# Altium PCB 创世一号.PcbDoc (part 1 of 2) (continued)
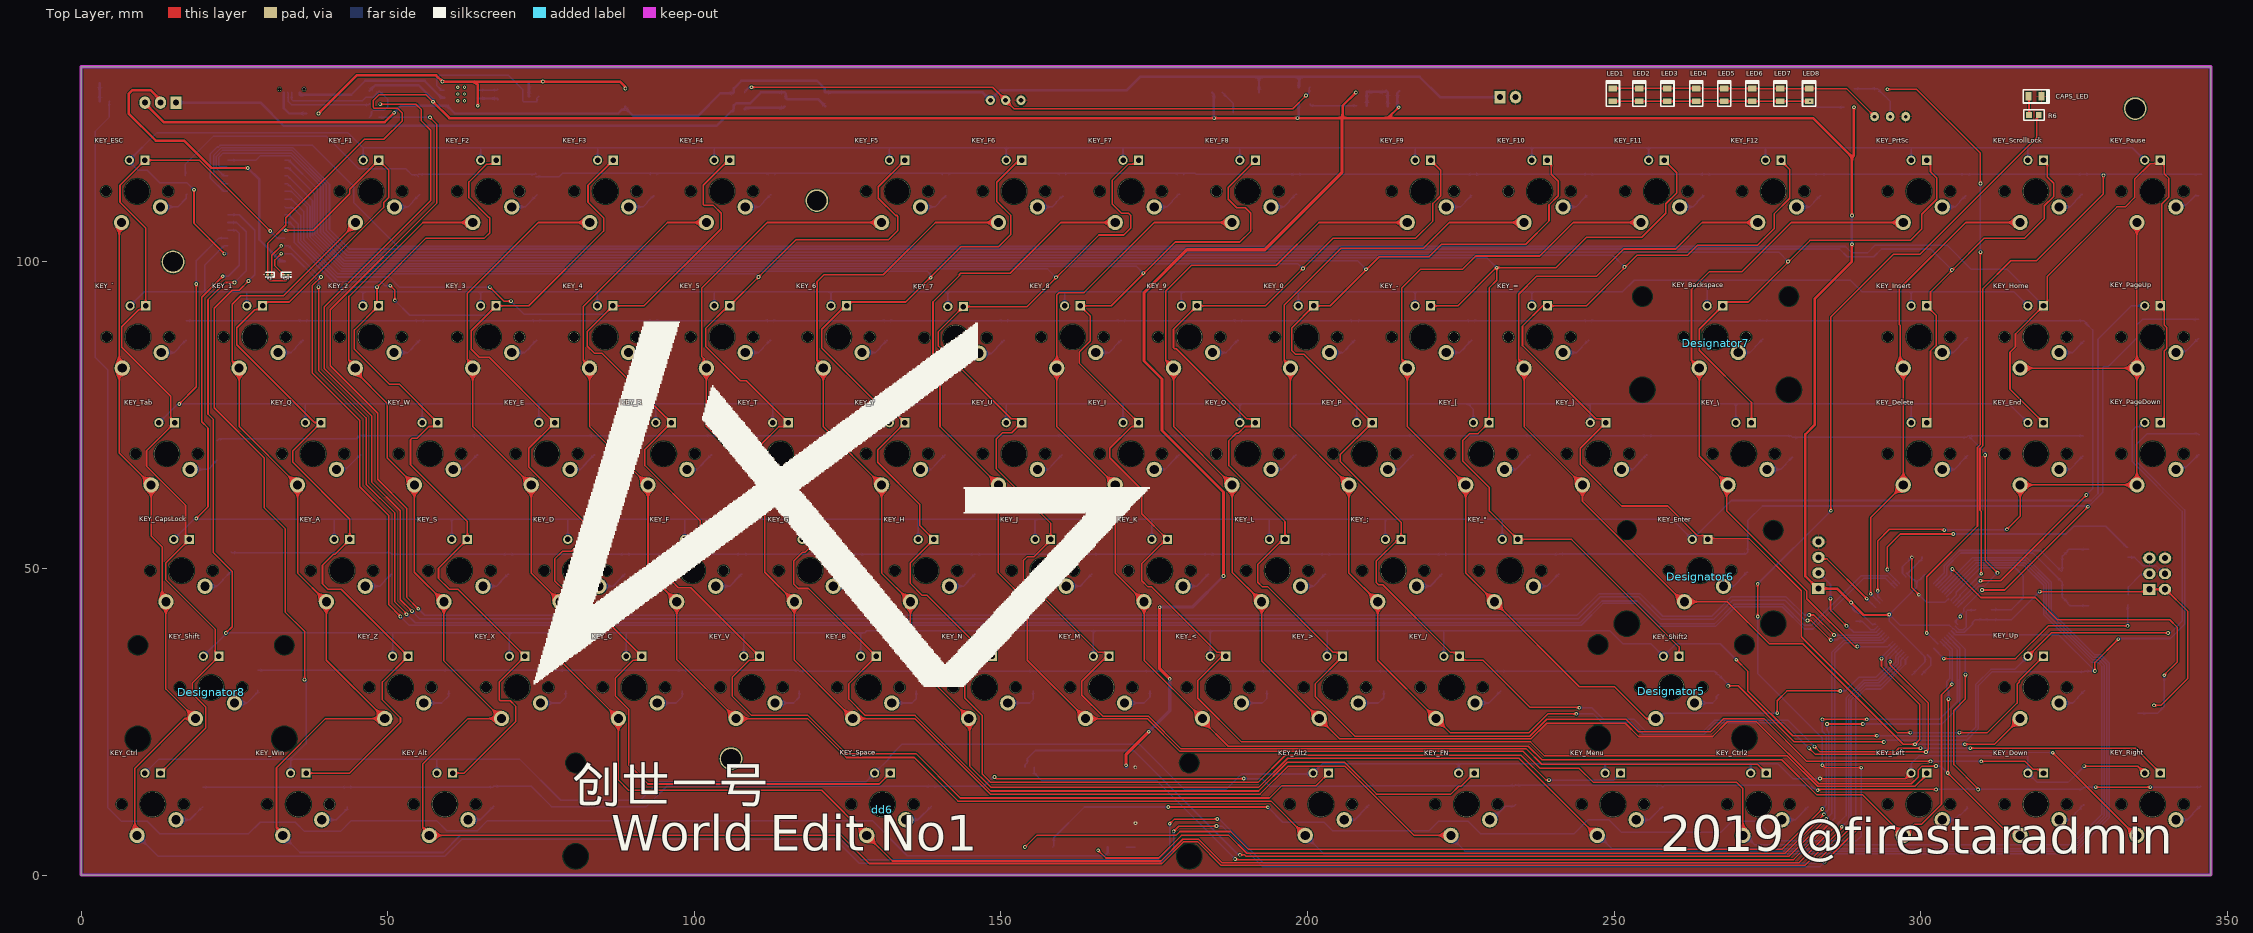
[diagram p0: Top Layer view]
## Footprints (in the part's own frame and the unit in brackets; to place one, negate y for a bottom-side part, rotate by r counter-clockwise, add the part's x,y. Pads: shape width x height; smd on the part's side, far side on the other; paste and mask are expansions set on the pad) (continued)
RC0603 [mil]
  rect 40x50 smd: 1(0,0) 2(65,0)
  silkscreen extent -30,-35 95,35
S8050-TO-92 [mil]
  oval 55x60 hole 23.62: 1(100,0) 2(0,0) 3(-100,0)
  silkscreen extent -82,-45 82,90, body extent -113,-60 113,105, height 407
SDO-123 [mm]
  rect 0.8x1 smd: 1(0,0) 2(3.24,0)
  silkscreen extent -0.5,-0.8 3.8,0.8
SMT-KEY [mm]
  rect 2x1.3 smd paste+0 mask+0.2: 1(0,0) 2(0,6.9)
  silkscreen extent -1.3,-0.89 1.3,7.6
SOT-23-5 [mm] "SOT-23-5"
  rect 0.6x1.05 smd: 1(-0.95,-1.35) 2(0,-1.35) 3(0.95,-1.35) 4(0.95,1.35) 5(-0.95,1.35)
  silkscreen extent -1.88,-1.73 1.5,0.45, body extent -1.5,-1.5 1.5,1.5, height 1.3
Switch_3p_2.5mmjianju [mil]
  round 60 hole 31.5: 1(0,0) 2(0,98.43) 3(0,196.85)
  silkscreen extent -71,-67 75,268

## Part data
BOOT LEDPwrCON SWD VBat: "Connector"
C1 C2 C3 C4 C5 C6 C8: library part CAP1, "Capacitor", Tolerate=50V, PCB_Layout="Top Layer SMC", Publisher=ZL_A0OFFICE, Revision=2012-3-28
  C1 C2: ERP=0103020090, TOL=2%
  C3 C4 C5 C6 C8: ERP=0103020075, TOL=10%
C7: library part CAP-TANTALUM, "Tantalum Capacitor"
C9 C10 C11 C12 C13 C14 C15 C16 C18 C19: library part CAP, "Capacitor"
F1 R8 R10 R11 R12 R14 R15 R16 R17: library part Res2, "Resistor"
KEY_0 KEY_1 KEY_2 KEY_3 KEY_4 KEY_5 KEY_6 KEY_7 KEY_8 KEY_9 "KEY_\"" KEY_- KEY_/ KEY_; KEY_< KEY_= KEY_> KEY_[ KEY_\ KEY_] KEY_` KEY_A KEY_Alt KEY_Alt2 KEY_B KEY_Backspace KEY_C KEY_CapsLock KEY_Ctrl KEY_Ctrl2 KEY_D KEY_Delete KEY_Down KEY_E KEY_End KEY_Enter KEY_ESC KEY_F KEY_F1 KEY_F2 KEY_F3 KEY_F4 KEY_F5 KEY_F6 KEY_F7 KEY_F8 KEY_F9 KEY_F10 KEY_F11 KEY_F12 KEY_FN KEY_G KEY_H KEY_Home KEY_I KEY_Insert KEY_J KEY_K KEY_L KEY_Left KEY_M KEY_Menu KEY_N KEY_O KEY_P KEY_PageDown KEY_PageUp KEY_Pause KEY_PrtSc KEY_Q KEY_R KEY_Right KEY_S KEY_ScrollLock KEY_Shift KEY_Shift2 KEY_Space KEY_T KEY_Tab KEY_U KEY_Up KEY_V KEY_W KEY_Win KEY_X KEY_Y KEY_Z: library part MX_SW-5, "with Fixation pins  1-Pole w/LED"
Q1: "NPN Bipolar Transistor", Code_JEDEC=TO-226-AA, LatestRevisionDate=17-Jul-2002, LatestRevisionNote="Re-released for DXP Platform.", PackageDescription="TO, Flat Index; 3 In-Line, Axial Leads; Body Dia. 4.8mm; Leads 0.55 x 0.51 mm (max)", PackageReference=TO-226-AA, Published=8-Jun-2000, Publisher="Altium Limited"
R1 R2 R3 R4 R5 R9: library part R
R6 R7 R13 RPROG: library part RES, "Resistor"
S1: "Single-Pole, Single-Throw Switch"
SW_PWR: "Switch"
U1: library part STM32F103RxTx, "MCU"
USB: library part "MICRO USB CONNECTOR TYPEB", "USB Connector"
X1: library part XTAL_SMD, "Crystal Oscillator", Tolerate="ROSON -20_+70 20pf", ERP=0103040021, PCB_Layout="Top Layer SMC", Publisher=ZL_A0OFFICE, Revision=2012-3-28, TOL=±20ppm

## Free pads (board coordinates)
  round 3.7 hole 3.2: 2(15,100) 2(106,19) 2(120,110) 2(335,125)

## Via types
v1: diameter 0.6, hole 0.3, Top Layer to Bottom Layer, 168 vias
v2: diameter 0.5, hole 0.2, Top Layer to Bottom Layer, 6 vias

## Nets (pads, with @x,y where several pads share a name; then routed paths per layer and width w, separated by ;. In a path a pad name is that pad's centre, name@x,y a point inside that pad or via, vN(x,y) a via of type N, cw(c..) or ccw(c..) an arc to the next point about the centre after c; other vN are vias at no path point)
3V3: BOOT.1 BOOT.2 BTK-05.12 C3.1 C4.1 C5.1 C6.1 C7.1 C15.1 C16.1 R2.2 R5.2 R8.1 R9.2 R10.1 R14.1 R17.2 SWD.1 U1.1 U1.19 U1.32 U1.48 U1.64 U3.5 | length 669.6
  Top Layer w0.254: R14.1@33.76,97.917 33.76,97.26 33.401,96.901 30.861,96.901 30.415,97.347 R8.1@30.415,97.917 30.415,102.986 33.401,105.972 33.401,107.188 46.228,120.015 49.377,120.015 52.362,123 52.362,124.295 51.562,125.095 47.774,125.095 47.625,125.244 47.625,126.281 48.598,127.254 56.262,127.254 v1(57.404,126.112) ; v1(319.405,46.228) 336.931,46.228 BOOT.1@337.312,46.609 BOOT.2@339.852,46.609 339.979,46.609 343.535,43.053 343.535,32.026 339.195,27.686 v1(338.074,27.686)
  Top Layer w0.4: v1(57.404,126.112) 60.072,123.444 v1(184.785,123.444) v1(198.374,123.444) 205.74,123.444 ; v1(207.899,127.635) 205.74,125.476 205.74,123.444 ; v1(214.884,125.222) 213.106,123.444 ; v1(288.798,102.87) 288.798,100.076 282.702,93.98 282.702,73.406 281.178,71.882 281.178,48.768 283.21,46.736 SWD.1@283.337,46.736 286.385,46.736 v1(288.671,44.45) 290.703,42.418 294.894,42.418 v1(294.894,42.487) ; v1(288.798,107.569) 288.798,117.094 ; v1(289.128,125.222) 289.128,117.424 288.798,117.094 ; 205.74,123.444 213.106,123.444 ; 213.106,123.444 282.448,123.444 288.798,117.094
  Top Layer w0.5: v1(170.434,17.907) 170.434,19.685 v1(174.117,23.368) ; v1(175.895,43.688) 175.895,33.655 v1(177.546,32.004) ; v1(186.309,48.768) 186.309,62.484 176.276,72.517 176.276,80.92 173.355,83.841 173.355,94.996 180.34,101.981 193.04,101.981 205.613,114.554 205.613,123.317 205.74,123.444
  Bottom Layer w0.254: R10.1@47.041,127.889 R10.1@47.041,127.914 ; v1(57.404,126.112) 57.404,126.492 ; C7.1@214.668,127.546 C7.1@215.011,127.889 ; C3.1@289.433,43.053 289.814,42.672 290.322,42.672 292.082,40.912 U1.48@292.657,40.912 ; C5.1@298.577,32.639 300.718,34.78 U1.32@300.718,35.609 294.894,41.433 v1(294.894,42.487) ; C4.1@300.228,51.943 300.228,51.575 297.898,49.244 297.689,49.244 U1.64@297.96,48.973 298.777,48.156 298.946,48.156 299.339,47.764 ; U1.1@300.718,48.973 300.685,48.973 299.902,48.19 299.743,48.19 299.466,47.912 299.466,47.891 299.339,47.764 ; v1(319.405,46.228) 314.833,41.656 R2.2@311.531,41.656 308.864,41.656 308.483,41.275 308.483,40.958 307.12,39.595 305.957,39.595 305.347,40.205 U1.19@305.314,40.205 305.282,40.205 304.722,40.765 296.616,40.765 v1(294.894,42.487) ; v1(294.894,42.487) 299.339,46.932 299.339,47.764
  Bottom Layer w0.4: R10.1@47.041,127.914 47.974,128.847 55.049,128.847 57.404,126.492 ; R9.2@184.493,127.588 184.747,127.334 184.747,123.482 v1(184.785,123.444) ; v1(198.374,123.444) 198.374,123.498 198.567,123.691 U3.5@198.567,125.82 ; C15.1@214.668,125.349 C7.1@214.668,127.546 ; v1(288.671,44.45) 288.671,44.396 288.998,44.069 288.998,43.361 289.306,43.053 C3.1@289.433,43.053 ; v1(288.798,102.87) v1(288.798,107.569)
  Bottom Layer w0.5: v1(170.434,17.907) 170.561,17.78 170.561,17.692 BTK-05.12@170.441,17.572 ; v1(174.117,23.368) 177.546,26.797 v1(177.546,32.004) ; v1(175.895,43.688) 181.229,43.688 v1(186.309,48.768)
3V7: C9.1 C13.1 C19.2 LEDPwrCON.3 SW_PWR.3 U3.1 U4.1 U5.5 VBat.1 | length 236.9
  Top Layer w0.4: LEDPwrCON.3@10.414,125.984 10.414,125.857 13.462,122.809 49.53,122.809 v1(51.054,124.333)
  Bottom Layer w0.4: v1(51.054,124.333) 52.183,125.462 59.237,125.462 U5.5@59.251,125.476 59.676,125.476 60.946,124.206 87.605,124.206 88.248,124.849 88.473,124.849 C19.2@88.748,125.124 ; C19.2@88.748,125.349 C19.2@88.748,125.124 ; C13.1@192.1,127.635 192.1,130.175 ; U3.1@198.467,128.845 198.567,128.745 U3.1@198.567,128.52 ; U3.1@198.667,128.62 198.667,130.175 ; VBat.1@231.394,126.873 221.615,126.873 218.313,130.175 198.667,130.175 ; C19.2@88.748,125.124 90.047,123.825 100.584,123.825 104.267,127.508 106.285,127.508 U4.1@106.365,127.588 106.465,127.688 106.465,128.309 107.696,129.54 120.015,129.54 121.285,128.27 121.285,127.711 C9.1@121.361,127.635 147.019,127.635 SW_PWR.3@148.289,126.365 149.94,128.016 170.561,128.016 172.72,130.175 192.1,130.175 ; 192.1,130.175 198.667,130.175
5V: C18.2 F1.1 LED_CHRG.1 U5.4 U5.8 | length 57.8
  Top Layer w0.4: v1(38.719,124.206) 44.942,130.429 57.912,130.429 v1(58.928,129.413) 64.135,129.413 ; v1(64.701,125.476) 64.701,128.847 64.135,129.413 ; v1(88.773,128.27) 88.773,128.524 87.884,129.413 v1(75.311,129.413) 64.135,129.413
AT: BTK-05.26 U1.22 | length 174.8
  Top Layer w0.254: v1(165.862,4.064) 167.132,2.794 175.768,2.794 179.451,6.477 187.189,6.477 190.11,3.556 277.876,3.556 v1(284.226,9.906) ; v1(284.734,24.638) v1(290.576,24.638)
  Bottom Layer w0.254: v1(284.226,9.906) 284.988,10.668 284.988,23.368 284.734,23.622 v1(284.734,24.638) ; v1(290.576,24.638) 303.467,24.638 306.416,27.587 306.416,32.125 306.399,32.143 306.399,36.999 U1.22@304.253,39.144
BOOT0: R4.1 U1.60 | length 49.6
  Top Layer w0.254: v1(294.58,49.844) 294.58,53.534 296.672,55.626 v1(305.314,55.626)
  Bottom Layer w0.254: v1(294.58,49.844) 294.58,49.524 U1.60@296.546,47.559 296.546,47.591 295.986,48.151 ; v1(305.314,55.626) 323.723,55.626 324.993,56.896 330.2,56.896 333.629,53.467 R4.1@333.756,53.467
BOOT1: R3.2 U1.28 | length 38.1
  Top Layer w0.254: v1(303.784,35.306) 315.468,35.306 320.802,40.64 v1(333.756,40.64)
  Bottom Layer w0.254: U1.28@302.132,37.023 302.132,36.991 303.784,35.339 v1(303.784,35.306) ; v1(333.756,40.64) 333.756,44.069 R3.2@333.883,44.069
col0: KEY_`.2 KEY_CapsLock.2 KEY_Ctrl.2 KEY_ESC.2 KEY_Shift.2 KEY_Tab.2 U1.33 | length 437.8
  Top Layer w0.254: KEY_ESC.2@6.604,106.426 6.223,106.045 6.223,68.834 KEY_Tab.2@11.43,63.627 11.43,55.308 13.208,53.53 13.208,45.212 KEY_CapsLock.2@13.843,44.577 13.843,30.353 KEY_Shift.2@18.669,25.527 16.891,25.527 8.763,17.399 8.763,6.858 KEY_Ctrl.2@9.144,6.477 ; v1(178.181,7.127) 179.032,7.978 185.143,7.978 v1(185.166,8.001) ; v1(284.353,2.159) 289.433,7.239 v1(289.433,7.62)
  Bottom Layer w0.254: KEY_Ctrl.2@9.144,6.477 12.556,3.065 36.703,3.065 59.311,3.065 62.113,5.867 122.981,5.867 126.926,1.922 175.912,1.922 178.181,4.191 v1(178.181,7.127) ; v1(185.166,8.001) 186.055,8.001 192.659,1.397 283.337,1.397 283.591,1.397 v1(284.353,2.159) ; v1(289.433,7.62) 289.433,28.764 291.02,30.351 293.478,30.351 297.536,34.41 297.536,35.185 U1.33@297.96,35.609
col1: KEY_1.2 KEY_A.2 KEY_F1.2 KEY_Q.2 KEY_Win.2 KEY_Z.2 U1.34 | length 439.7
  Top Layer w0.254: KEY_Win.2@32.893,6.477 32.893,6.752 31.877,7.768 31.877,17.526 39.878,25.527 KEY_Z.2@49.53,25.527 40.005,35.052 KEY_A.2@40.005,44.577 35.306,49.276 KEY_Q.2@35.306,63.627 25.781,73.152 KEY_1.2@25.781,82.677 25.781,82.698 24.638,83.841 24.638,93.091 26.035,94.488 33.02,94.488 44.742,106.21 KEY_F1.2@44.742,106.426 ; v1(177.546,8.382) 178.308,9.144 v1(185.293,9.144) ; v1(283.591,2.54) 283.591,2.733 288.244,7.386 v1(288.244,7.747)
  Bottom Layer w0.254: KEY_Win.2@32.893,6.477 35.687,3.683 36.703,3.683 59.055,3.683 61.857,6.485 123.237,6.485 127.182,2.54 175.656,2.54 177.546,4.43 v1(177.546,8.382) ; v1(185.293,9.144) 185.335,9.186 185.589,9.186 192.869,1.905 282.956,1.905 v1(283.591,2.54) ; v1(288.244,7.747) 288.648,8.151 288.648,28.55 291.022,30.924 293.48,30.924 296.741,34.186 296.741,35.097 U1.34@297.607,35.962
col2: KEY_2.2 KEY_Alt.2 KEY_F2.2 KEY_S.2 KEY_W.2 KEY_X.2 U1.35 | length 404.4
  Top Layer w0.254: KEY_F2.2@63.881,106.426 55.753,106.426 43.688,94.361 43.688,83.968 44.704,82.952 KEY_2.2@44.704,82.677 44.704,82.169 49.911,76.962 49.911,68.072 KEY_W.2@54.356,63.627 54.356,49.403 KEY_S.2@59.182,44.577 59.182,34.925 KEY_X.2@68.58,25.527 63.119,25.527 55.753,18.161 55.753,7.768 56.769,6.752 KEY_Alt.2@56.769,6.477 61.142,6.477 123.952,6.477 128.532,1.897 176.268,1.897 179.832,5.461 182.055,5.461 185.937,1.579 281.106,1.579 287.147,7.62 v1(287.147,7.874)
  Bottom Layer w0.254: v1(287.147,7.874) 288.244,8.971 288.244,28.718 290.895,31.369 293.179,31.369 296.337,34.527 296.337,35.4 U1.35@297.253,36.316
col3: KEY_3.2 KEY_C.2 KEY_D.2 KEY_E.2 KEY_F3.2 KEY_Space.2 U1.36 | length 358.4
  Top Layer w0.254: KEY_F3.2@82.969,106.426 74.549,106.426 62.992,94.869 62.992,84.095 63.881,83.206 KEY_3.2@63.881,82.677 63.881,73.152 KEY_E.2@73.406,63.627 73.406,49.276 KEY_D.2@78.105,44.577 78.105,35.052 KEY_C.2@87.63,25.527 87.63,15.494 89.281,13.843 120.777,13.843 KEY_Space.2@128.143,6.477 132.319,2.301 133.096,2.301 176.101,2.301 179.665,5.865 182.222,5.865 186.104,1.983 280.113,1.983 v1(286.004,7.874)
  Bottom Layer w0.254: v1(286.004,7.874) 287.84,9.71 287.84,28.885 290.728,31.773 293.012,31.773 295.933,34.694 295.933,35.703 U1.36@296.899,36.67
col4: KEY_4.2 KEY_Alt2.2 KEY_F4.2 KEY_F.2 KEY_R.2 KEY_V.2 U1.8 | length 403.6
  Top Layer w0.254: KEY_F4.2@101.981,106.426 95.631,106.426 81.915,92.71 81.915,83.968 82.931,82.952 KEY_4.2@82.931,82.677 82.931,73.152 KEY_R.2@92.456,63.627 92.456,49.276 KEY_F.2@97.155,44.577 97.155,35.179 KEY_V.2@106.807,25.527 118.477,25.527 124.827,19.177 135.89,19.177 143.002,12.065 194.056,12.065 KEY_Alt2.2@199.644,6.477
  Bottom Layer w0.254: KEY_Alt2.2@199.644,6.477 202.611,3.51 227.457,3.51 324.883,3.51 330.777,9.404 330.777,34.538 329.369,35.946 328.353,35.946 321.31,42.989 321.31,47.752 317.339,51.723 308.417,51.723 U1.8@303.193,46.498
col5: KEY_5.2 KEY_B.2 KEY_F5.2 KEY_FN.2 KEY_G.2 KEY_T.2 U1.9 | length 397.5
  Top Layer w0.254: KEY_F5.2@130.556,106.426 111.887,106.426 101.219,95.758 101.219,84.582 101.551,84.25 101.551,83.107 KEY_5.2@101.981,82.677 101.981,73.152 KEY_T.2@111.506,63.627 111.506,49.403 KEY_G.2@116.332,44.577 116.332,35.052 KEY_B.2@125.857,25.527 135.94,25.527 148.259,13.208 192.278,13.208 196.837,17.767 206.134,17.767 217.424,6.477 KEY_FN.2@223.393,6.477
  Bottom Layer w0.254: KEY_FN.2@223.393,6.477 223.393,6.2 225.679,3.914 324.716,3.914 330.373,9.571 330.373,34.371 329.201,35.542 328.185,35.542 320.906,42.822 320.906,47.585 317.172,51.319 308.721,51.319 U1.9@303.546,46.145
col6: KEY_6.2 KEY_F6.2 KEY_H.2 KEY_Menu.2 KEY_N.2 KEY_Y.2 U1.10 | length 382
  Top Layer w0.254: KEY_F6.2@149.606,106.426 139.333,106.426 130.824,97.917 121.158,97.917 120.015,96.774 120.015,83.968 121.031,82.952 KEY_6.2@121.031,82.677 121.031,73.152 KEY_Y.2@130.556,63.627 130.556,49.276 KEY_H.2@135.255,44.577 135.255,35.179 144.907,25.527 144.907,17.78 148.336,14.351 192.088,14.351 196.787,19.05 234.515,19.05 247.088,6.477 KEY_Menu.2@247.269,6.477
  Bottom Layer w0.254: KEY_Menu.2@247.269,6.477 247.523,6.477 249.682,4.318 324.548,4.318 329.969,9.739 329.969,34.203 329.034,35.138 328.018,35.138 320.502,42.654 320.502,47.417 317.004,50.915 309.024,50.915 U1.10@303.9,45.791
col7: KEY_7.2 KEY_Ctrl2.2 KEY_F7.2 KEY_J.2 KEY_M.2 KEY_U.2 U1.11 | length 355.4
  Top Layer w0.254: KEY_F7.2@168.656,106.426 159.78,106.426 151.525,98.171 143.405,98.171 143.256,98.022 143.256,97.79 138.938,93.472 138.938,83.714 140.081,82.571 KEY_7.2@140.081,82.55 140.081,73.152 KEY_U.2@149.606,63.627 149.606,49.276 KEY_J.2@154.305,44.577 154.305,35.052 KEY_M.2@163.83,25.527 173.863,25.527 179.22,20.17 235.204,20.17 237.975,17.399 244.348,17.399 246.634,15.113 270.002,15.113 271.018,14.097 KEY_Ctrl2.2@271.018,6.477
  Bottom Layer w0.254: KEY_Ctrl2.2@271.018,6.477 271.399,6.477 272.926,4.95 324.609,4.95 329.565,9.906 329.565,34.036 328.866,34.734 327.851,34.734 320.098,42.487 320.098,47.25 316.837,50.511 309.317,50.511 304.253,45.447 U1.11@304.253,45.438
col8: KEY_8.2 KEY_<.2 KEY_F8.2 KEY_I.2 KEY_K.2 KEY_Left.2 U1.24 | length 271.3
  Top Layer w0.254: KEY_F8.2@187.706,106.426 175.006,106.426 163.576,94.996 159.534,94.996 159.131,94.593 KEY_8.2@159.131,82.677 159.131,73.152 KEY_I.2@168.656,63.627 168.656,49.276 KEY_K.2@173.355,44.577 173.355,35.052 KEY_<.2@182.88,25.527 182.88,25.215 187.071,21.024 236.024,21.024 238.252,18.796 277.368,18.796 283.083,13.081 290.576,13.081 KEY_Left.2@297.18,6.477 298.982,8.279 300.125,8.279 303.403,11.557 303.403,29.418 v1(305.1,31.115)
  Bottom Layer w0.254: U1.24@303.546,38.437 305.146,36.838 305.146,31.161 v1(305.1,31.115)
col9: KEY_9.2 KEY_>.2 KEY_Down.2 KEY_F9.2 KEY_L.2 KEY_O.2 U1.25 | length 275.9
  Top Layer w0.254: KEY_F9.2@216.281,106.426 201.88,106.426 194.895,99.441 181.102,99.441 176.911,95.25 176.911,83.947 KEY_9.2@178.181,82.677 178.181,73.152 KEY_O.2@187.706,63.627 187.706,49.403 KEY_L.2@192.532,44.577 192.532,34.925 KEY_>.2@201.93,25.527 205.232,22.225 236.474,22.225 239.014,24.765 251.841,24.765 254,22.606 266.065,22.606 268.478,25.019 273.24,25.019 283.377,14.882 298.473,14.882 299.593,16.002 299.593,17.132 300.241,17.78 v1(302.514,17.78) ; v1(304.546,28.702) 304.483,28.639 304.483,16.7 v1(304.419,16.637) 313.309,7.747 314.96,7.747 KEY_Down.2@316.23,6.477
  Bottom Layer w0.254: v1(302.514,17.78) 302.527,17.767 303.289,17.767 v1(304.419,16.637) ; U1.25@303.193,38.084 303.208,38.084 304.742,36.55 304.742,32.047 304.292,31.597 304.292,30.31 304.546,30.056 v1(304.546,28.702)
col10: KEY_0.2 KEY_/.2 KEY_;.2 KEY_F10.2 KEY_P.2 KEY_Right.2 U1.37 | length 269.2
  Top Layer w0.254: KEY_F10.2@235.331,106.426 223.139,106.426 218.948,102.235 205.486,102.235 196.215,92.964 196.215,83.968 197.231,82.952 KEY_0.2@197.231,82.677 197.231,73.152 KEY_P.2@206.756,63.627 206.756,49.276 211.455,44.577 211.455,35.052 KEY_/.2@220.98,25.527 223.266,23.241 236.162,23.241 239.21,26.289 v1(243.84,26.289) ; v1(281.813,20.701) 282.837,19.677 295.996,19.677 296.406,20.088 v1(300.863,20.088) 301.244,20.469 301.244,28.067 295.021,34.29 v1(295.021,34.798) ; v1(321.542,19.961) KEY_Right.2@335.153,6.35
  Bottom Layer w0.254: v1(243.84,26.289) 246.634,26.289 248.031,24.892 252.84,24.892 254.745,22.987 264.669,22.987 266.551,24.869 277.645,24.869 v1(281.813,20.701) ; v1(295.021,34.798) 295.021,35.498 U1.37@296.546,37.023 ; v1(300.863,20.088) v1(321.542,19.961)
col11: "KEY_\".2" KEY_-.2 KEY_[.2 KEY_F11.2 KEY_Shift2.2 U1.38 | length 181.5
  Top Layer w0.254: KEY_F11.2@254.381,106.426 243.346,106.426 237.885,100.965 227.457,100.965 225.298,98.806 218.44,98.806 215.392,95.758 215.392,84.095 216.281,83.206 KEY_-.2@216.281,82.677 216.281,73.152 KEY_[.2@225.806,63.627 225.806,49.276 230.505,44.577 244.348,30.734 250.063,30.734 255.27,25.527 KEY_Shift2.2@256.794,25.527 ; v1(276.606,26.416) 276.606,28.448 278.192,30.034 v1(286.893,30.034)
  Bottom Layer w0.254: KEY_Shift2.2@256.794,25.527 257.34,25.527 258.229,26.416 v1(276.606,26.416) ; v1(286.893,30.034) 287.713,30.034 289.937,32.258 292.735,32.258 294.386,33.909 294.386,35.58 296.183,37.377 U1.38@296.192,37.377
col12: KEY_=.2 KEY_].2 KEY_Enter.2 KEY_F12.2 KEY_Up.2 U1.39 | length 191.7
  Top Layer w0.254: KEY_F12.2@273.431,106.426 264.364,106.426 260.046,102.108 251.587,102.108 247.142,97.663 237.363,97.663 234.442,94.742 234.442,84.095 235.331,83.206 KEY_=.2@235.331,82.677 235.331,73.152 KEY_].2@244.856,63.627 244.856,60.953 261.232,44.577 KEY_Enter.2@261.493,44.577 268.478,44.577 275.336,37.719 280.797,37.719 297.18,21.336 v1(299.085,21.336) 299.847,22.098 299.847,27.813 293.624,34.036 v1(293.624,35.306) ; v1(307.213,21.336) 312.039,21.336 KEY_Up.2@316.23,25.527
  Bottom Layer w0.254: v1(293.624,35.306) 293.624,35.515 U1.39@295.839,37.73 ; v1(299.085,21.336) v1(307.213,21.336)
col13: KEY_\.2 KEY_Backspace.2 KEY_PrtSc.2 U1.40 | length 115.1
  Top Layer w0.254: v1(289.687,37.273) 289.244,37.273 281.432,45.085 281.432,46.344 268.351,59.425 268.351,63.373 KEY_\.2@268.605,63.627 263.906,68.326 KEY_Backspace.2@263.906,82.677 262.636,83.947 262.636,95.504 265.557,98.425 270.891,98.425 278.892,106.426 KEY_PrtSc.2@297.18,106.426
  Bottom Layer w0.254: v1(289.687,37.273) 294.674,37.273 U1.40@295.485,38.084
col14: KEY_Delete.2 KEY_Insert.2 KEY_ScrollLock.2 U1.51 | length 78.5
  Top Layer w0.254: v1(291.846,45.895) 291.846,58.293 KEY_Delete.2@297.18,63.627 KEY_Insert.2@297.18,82.677 296.672,83.185 296.672,89.627 296.523,89.775 296.523,95.609 307.34,106.426 KEY_ScrollLock.2@316.23,106.426
  Bottom Layer w0.254: v1(291.846,45.895) U1.51@293.364,44.377
col15: KEY_End.2 KEY_Home.2 KEY_PageDown.2 KEY_PageUp.2 KEY_Pause.2 U1.52 | length 121
  Top Layer w0.254: v1(293.01,46.355) 293.01,54.504 294.894,56.388 303.738,56.388 v1(303.865,56.261) ; v1(314.071,56.388) 316.23,58.547 KEY_End.2@316.23,63.627 KEY_PageDown.2@335.28,63.627 KEY_PageUp.2@335.28,82.677 ; KEY_Home.2@316.23,82.677 KEY_PageUp.2@335.28,82.677 ; KEY_Pause.2@335.28,106.426 KEY_PageUp.2@335.28,82.677
  Bottom Layer w0.254: v1(293.01,46.355) 293.01,45.47 293.718,44.763 U1.52@293.718,44.731 ; v1(303.865,56.261) 303.929,56.325 314.007,56.325 v1(314.071,56.388)
COM0: KEY_ESC.4 KEY_F1.4 KEY_F2.4 KEY_F3.4 KEY_F4.4 KEY_F5.4 KEY_F6.4 KEY_F7.4 KEY_F8.4 KEY_F9.4 KEY_F10.4 KEY_F11.4 KEY_F12.4 KEY_Pause.4 KEY_PrtSc.4 KEY_ScrollLock.4 U2.2 | length 387
  Top Layer w0.254: v1(18.415,111.76) 18.415,106.299 v1(23.368,101.346)
  Bottom Layer w0.254: v1(18.415,111.76) 17.272,112.903 12.827,112.903 10.795,114.935 9.271,114.935 7.874,116.332 KEY_ESC.4@7.874,116.586 12.319,121.031 43.561,121.031 45.974,118.618 ; v1(23.368,101.346) U2.2@23.9,101.346 ; KEY_F1.4@46.012,116.586 46.012,118.58 45.974,118.618 ; KEY_F2.4@65.151,116.586 65.151,118.491 65.024,118.618 ; KEY_F3.4@84.239,116.586 84.239,118.58 84.201,118.618 ; KEY_F4.4@103.251,116.586 103.251,118.491 103.378,118.618 ; KEY_F5.4@131.826,116.586 131.826,118.491 131.699,118.618 ; KEY_F6.4@150.876,116.586 150.876,118.618 ; KEY_F7.4@169.926,116.586 169.926,118.491 170.053,118.618 ; KEY_F8.4@188.976,116.586 188.976,118.491 188.849,118.618 ; KEY_F9.4@217.551,116.586 217.551,118.491 217.424,118.618 ; KEY_F10.4@236.601,116.586 236.601,118.618 ; KEY_F11.4@255.651,116.586 255.651,118.618 ; KEY_F12.4@274.701,116.586 274.701,118.491 274.574,118.618 ; KEY_PrtSc.4@298.45,116.586 298.45,118.491 298.323,118.618 ; KEY_ScrollLock.4@317.5,116.586 317.5,118.491 317.373,118.618 ; KEY_Pause.4@336.55,116.586 334.518,118.618 317.373,118.618 ; 45.974,118.618 65.024,118.618 ; 65.024,118.618 84.201,118.618 ; 84.201,118.618 103.378,118.618 ; 103.378,118.618 131.699,118.618 ; 131.699,118.618 150.876,118.618 ; 150.876,118.618 170.053,118.618 ; 170.053,118.618 188.849,118.618 ; 188.849,118.618 217.424,118.618 ; 217.424,118.618 236.601,118.618 ; 236.601,118.618 255.651,118.618 ; 255.651,118.618 274.574,118.618 ; 274.574,118.618 298.323,118.618 ; 298.323,118.618 317.373,118.618
COM1: KEY_0.4 KEY_1.4 KEY_2.4 KEY_3.4 KEY_4.4 KEY_5.4 KEY_6.4 KEY_7.4 KEY_8.4 KEY_9.4 KEY_-.4 KEY_=.4 KEY_`.4 KEY_Backspace.4 KEY_Home.4 KEY_Insert.4 U2.3 | length 357
  Bottom Layer w0.254: KEY_`.4@8.001,92.837 10.287,95.123 20.193,95.123 ; U2.3@23.9,102.616 23.275,102.616 20.193,99.534 20.193,95.123 ; KEY_1.4@27.051,92.837 27.051,94.996 26.924,95.123 ; KEY_2.4@45.974,92.837 45.974,94.869 46.228,95.123 ; KEY_3.4@65.151,92.837 65.151,95.123 ; KEY_4.4@84.201,92.837 84.201,95.123 ; KEY_5.4@103.251,92.837 103.251,94.996 103.378,95.123 ; KEY_6.4@122.301,92.837 122.301,94.869 122.047,95.123 ; KEY_7.4@141.351,92.71 141.351,95.123 ; KEY_8.4@160.401,92.837 160.401,94.996 160.528,95.123 ; KEY_9.4@179.451,92.837 179.451,94.869 179.705,95.123 ; KEY_0.4@198.501,92.837 198.501,94.869 198.247,95.123 ; KEY_-.4@217.551,92.837 217.551,95.123 ; KEY_=.4@236.601,92.837 236.601,95.123 ; KEY_Backspace.4@265.176,92.837 265.176,96.901 265.049,97.028 ; KEY_Insert.4@298.45,92.837 298.45,95.123 ; KEY_Home.4@317.5,92.837 315.214,95.123 298.45,95.123 ; 20.193,95.123 26.924,95.123 ; 26.924,95.123 46.228,95.123 ; 46.228,95.123 65.151,95.123 ; 65.151,95.123 84.201,95.123 ; 84.201,95.123 103.378,95.123 ; 103.378,95.123 122.047,95.123 ; 122.047,95.123 141.351,95.123 ; 141.351,95.123 160.528,95.123 ; 160.528,95.123 179.705,95.123 ; 179.705,95.123 198.247,95.123 ; 198.247,95.123 217.551,95.123 ; 217.551,95.123 236.601,95.123 ; 236.601,95.123 251.397,95.123 253.301,97.028 265.049,97.028 ; 265.049,97.028 288.544,97.028 290.449,95.123 298.45,95.123
COM2: KEY_[.4 KEY_\.4 KEY_].4 KEY_Delete.4 KEY_E.4 KEY_End.4 KEY_I.4 KEY_O.4 KEY_P.4 KEY_Q.4 KEY_R.4 KEY_T.4 KEY_Tab.4 KEY_U.4 KEY_W.4 KEY_Y.4 U2.4 | length 382
  Top Layer w0.254: v1(16.002,76.835) 18.796,79.629 v1(18.796,96.393)
  Bottom Layer w0.254: KEY_Tab.4@12.7,73.787 15.748,76.835 v1(16.002,76.835) 36.703,76.835 ; v1(18.796,96.393) 18.796,100.203 22.479,103.886 U2.4@23.9,103.886 ; KEY_Q.4@36.576,73.787 36.576,76.708 36.703,76.835 ; KEY_W.4@55.626,73.787 55.626,76.708 55.753,76.835 ; KEY_E.4@74.676,73.787 74.676,76.835 ; KEY_R.4@93.726,73.787 93.726,76.708 93.853,76.835 ; KEY_T.4@112.776,73.787 112.776,76.708 112.903,76.835 ; KEY_Y.4@131.826,73.787 131.826,76.835 ; KEY_U.4@150.876,73.787 150.876,76.708 151.003,76.835 ; KEY_I.4@169.926,73.787 169.926,76.708 170.053,76.835 ; KEY_O.4@188.976,73.787 188.976,76.835 ; KEY_P.4@208.026,73.787 208.026,76.708 207.899,76.835 ; KEY_[.4@227.076,73.787 227.076,75.946 226.187,76.835 ; KEY_].4@246.126,73.787 246.126,76.454 245.745,76.835 ; KEY_\.4@269.875,73.787 269.875,76.835 ; KEY_Delete.4@298.45,73.787 298.45,76.835 ; KEY_End.4@317.5,73.787 314.452,76.835 298.45,76.835 ; 36.703,76.835 55.753,76.835 ; 55.753,76.835 74.676,76.835 ; 74.676,76.835 93.853,76.835 ; 93.853,76.835 112.903,76.835 ; 112.903,76.835 131.826,76.835 ; 131.826,76.835 151.003,76.835 ; 151.003,76.835 170.053,76.835 ; 170.053,76.835 188.976,76.835 ; 188.976,76.835 207.899,76.835 ; 207.899,76.835 226.187,76.835 ; 226.187,76.835 245.745,76.835 ; 245.745,76.835 269.875,76.835 ; 269.875,76.835 298.45,76.835
COM3: "KEY_\".4" KEY_;.4 KEY_A.4 KEY_CapsLock.4 KEY_D.4 KEY_Enter.4 KEY_F.4 KEY_G.4 KEY_H.4 KEY_J.4 KEY_K.4 KEY_L.4 KEY_PageUp.4 KEY_S.4 U2.5 | length 444.3
  Top Layer w0.254: v1(18.796,58.166) 20.701,60.071 20.701,72.898 19.685,73.914 19.685,94.234 v1(23.114,97.663)
  Bottom Layer w0.254: KEY_CapsLock.4@15.113,54.737 18.415,58.039 v1@18.796,58.039 ; v1@18.946,58.062 41.402,58.062 ; v1(23.114,97.663) 24.003,97.663 25.781,99.441 25.781,104.648 25.273,105.156 U2.5@23.9,105.156 ; KEY_A.4@41.275,54.737 41.275,57.935 41.402,58.062 ; KEY_S.4@60.452,54.737 60.452,58.062 ; KEY_D.4@79.375,54.737 79.375,57.935 79.502,58.062 ; KEY_F.4@98.425,54.737 98.425,57.935 98.298,58.062 ; KEY_G.4@117.602,54.737 117.602,57.935 117.729,58.062 ; KEY_H.4@136.525,54.737 136.525,57.935 136.652,58.062 ; KEY_J.4@155.575,54.737 155.575,57.808 155.829,58.062 ; KEY_K.4@174.625,54.737 174.625,57.935 174.752,58.062 ; KEY_L.4@193.802,54.737 193.802,57.935 193.929,58.062 ; 212.725,54.737 212.725,58.062 ; 231.775,54.737 231.775,57.912 ; KEY_PageUp.4@336.55,92.837 334.391,92.837 328.93,87.376 328.93,62.23 327.787,61.087 269.113,61.087 KEY_Enter.4@262.763,54.737 259.438,58.062 212.725,58.062 ; 41.402,58.062 60.452,58.062 ; 60.452,58.062 79.502,58.062 ; 79.502,58.062 98.298,58.062 ; 98.298,58.062 117.729,58.062 ; 117.729,58.062 136.652,58.062 ; 136.652,58.062 155.829,58.062 ; 155.829,58.062 174.752,58.062 ; 174.752,58.062 193.929,58.062 ; 193.929,58.062 212.725,58.062
COM4: KEY_/.4 KEY_<.4 KEY_>.4 KEY_B.4 KEY_C.4 KEY_M.4 KEY_N.4 KEY_PageDown.4 KEY_Shift2.4 KEY_Shift.4 KEY_Up.4 KEY_V.4 KEY_X.4 KEY_Z.4 U2.6 | length 497.9
  Top Layer w0.254: v1(23.622,39.497) 24.638,40.513 24.638,49.53 21.59,52.578 21.59,74.295 20.701,75.184 20.701,93.853 23.495,96.647 v1(25.019,96.647) ; v1(269.938,35.115) 271.78,33.274 271.78,30.084 279.131,22.733 v1(292.862,22.733) ; KEY_Up.4@317.5,35.687 321.31,39.497 v1(340.36,39.497)
  Bottom Layer w0.254: KEY_Shift.4@19.939,35.687 v1@23.495,39.243 ; v1@23.644,39.497 50.573,39.497 ; U2.6@23.9,106.426 25.4,106.426 26.924,104.902 26.924,98.552 v1(25.019,96.647) ; KEY_Z.4@50.8,35.687 50.8,39.37 ; KEY_X.4@69.85,35.687 69.85,39.497 ; KEY_C.4@88.9,35.687 88.9,39.497 69.85,39.497 ; 88.9,39.498 108.077,39.498 ; KEY_V.4@108.077,35.687 108.077,39.497 127.127,39.497 ; KEY_B.4@127.127,35.687 127.127,39.497 ; KEY_N.4@146.177,35.687 146.177,39.851 ; KEY_M.4@165.1,35.687 165.1,39.851 ; KEY_<.4@184.15,35.687 184.15,39.851 ; KEY_>.4@203.2,35.687 203.2,39.851 ; KEY_/.4@222.25,35.687 222.25,39.724 222.377,39.851 ; v1(269.938,35.115) 267.335,37.719 260.096,37.719 KEY_Shift2.4@258.064,35.687 256.04,37.711 251.468,37.711 249.328,39.851 222.377,39.851 ; v1(292.862,22.733) 298.015,22.733 298.084,22.664 307.496,22.664 309.017,24.185 309.017,31.107 311.461,33.551 315.364,33.551 KEY_Up.4@317.5,35.687 ; KEY_PageDown.4@336.55,73.787 336.332,73.787 335.641,73.096 335.097,73.096 334.518,72.517 334.518,67.437 342.646,59.309 342.646,41.402 340.741,39.497 ; 50.8,39.37 50.8,39.497 ; 50.8,39.37 50.673,39.497 50.8,39.497 ; 50.8,39.497 69.85,39.497 ; 127.127,39.497 127.789,39.497 128.143,39.851 146.177,39.851 ; 146.177,39.851 165.1,39.851 ; 165.1,39.851 184.15,39.851 ; 184.15,39.851 203.2,39.851 ; 203.2,39.851 222.377,39.851
COM5: KEY_Alt2.4 KEY_Alt.4 KEY_Ctrl2.4 KEY_Ctrl.4 KEY_Down.4 KEY_FN.4 KEY_Left.4 KEY_Menu.4 KEY_Right.4 KEY_Space.4 KEY_Win.4 U2.7 | length 458.7
  Top Layer w0.254: v1(27.305,96.901) 25.781,95.377 24.638,95.377 21.717,92.456 21.717,76.2 29.845,68.072 29.845,59.944 33.274,56.515 33.274,42.926 36.449,39.751 v1(36.449,31.877) ; v1(283.591,15.748) 297.561,15.748 KEY_Left.4@298.45,16.637 ; v1(326.671,17.767) 335.42,17.767 KEY_Right.4@336.55,16.637
  Bottom Layer w0.254: KEY_Ctrl.4@10.414,16.637 12.7,18.923 34.163,18.923 ; U2.7@23.9,107.696 25.781,107.696 28.321,105.156 28.321,97.917 v1(27.305,96.901) ; KEY_Win.4@34.163,16.637 34.163,18.669 34.417,18.923 ; v1(36.449,31.877) 36.703,31.623 36.703,21.463 34.163,18.923 ; KEY_Alt.4@58.039,16.637 58.039,18.796 57.912,18.923 ; KEY_FN.4@224.663,16.637 224.663,18.161 ; KEY_Menu.4@248.539,16.637 248.539,18.161 ; KEY_Ctrl2.4@272.288,16.637 272.288,18.161 ; v1(283.591,15.748) 279.146,15.748 276.733,18.161 272.288,18.161 ; KEY_Left.4@298.45,16.637 298.45,18.161 299.72,19.431 300.101,19.431 317.5,19.431 KEY_Down.4@317.5,16.637 319.024,15.113 324.017,15.113 v1(326.671,17.767) ; 34.163,18.923 34.417,18.923 ; 34.417,18.923 57.912,18.923 ; 57.912,18.923 71.501,18.923 78.232,12.192 91.186,12.192 94.234,15.24 128.016,15.24 KEY_Space.4@129.413,16.637 131.953,19.177 131.953,19.409 133.88,21.336 172.593,21.336 179.959,13.97 186.713,13.97 189.23,16.487 200.764,16.487 KEY_Alt2.4@200.914,16.637 202.438,18.161 224.663,18.161 ; 224.663,18.161 248.539,18.161 ; 248.539,18.161 272.288,18.161